# KiCad board psc_carrier_brd.kicad_pcb (continued)
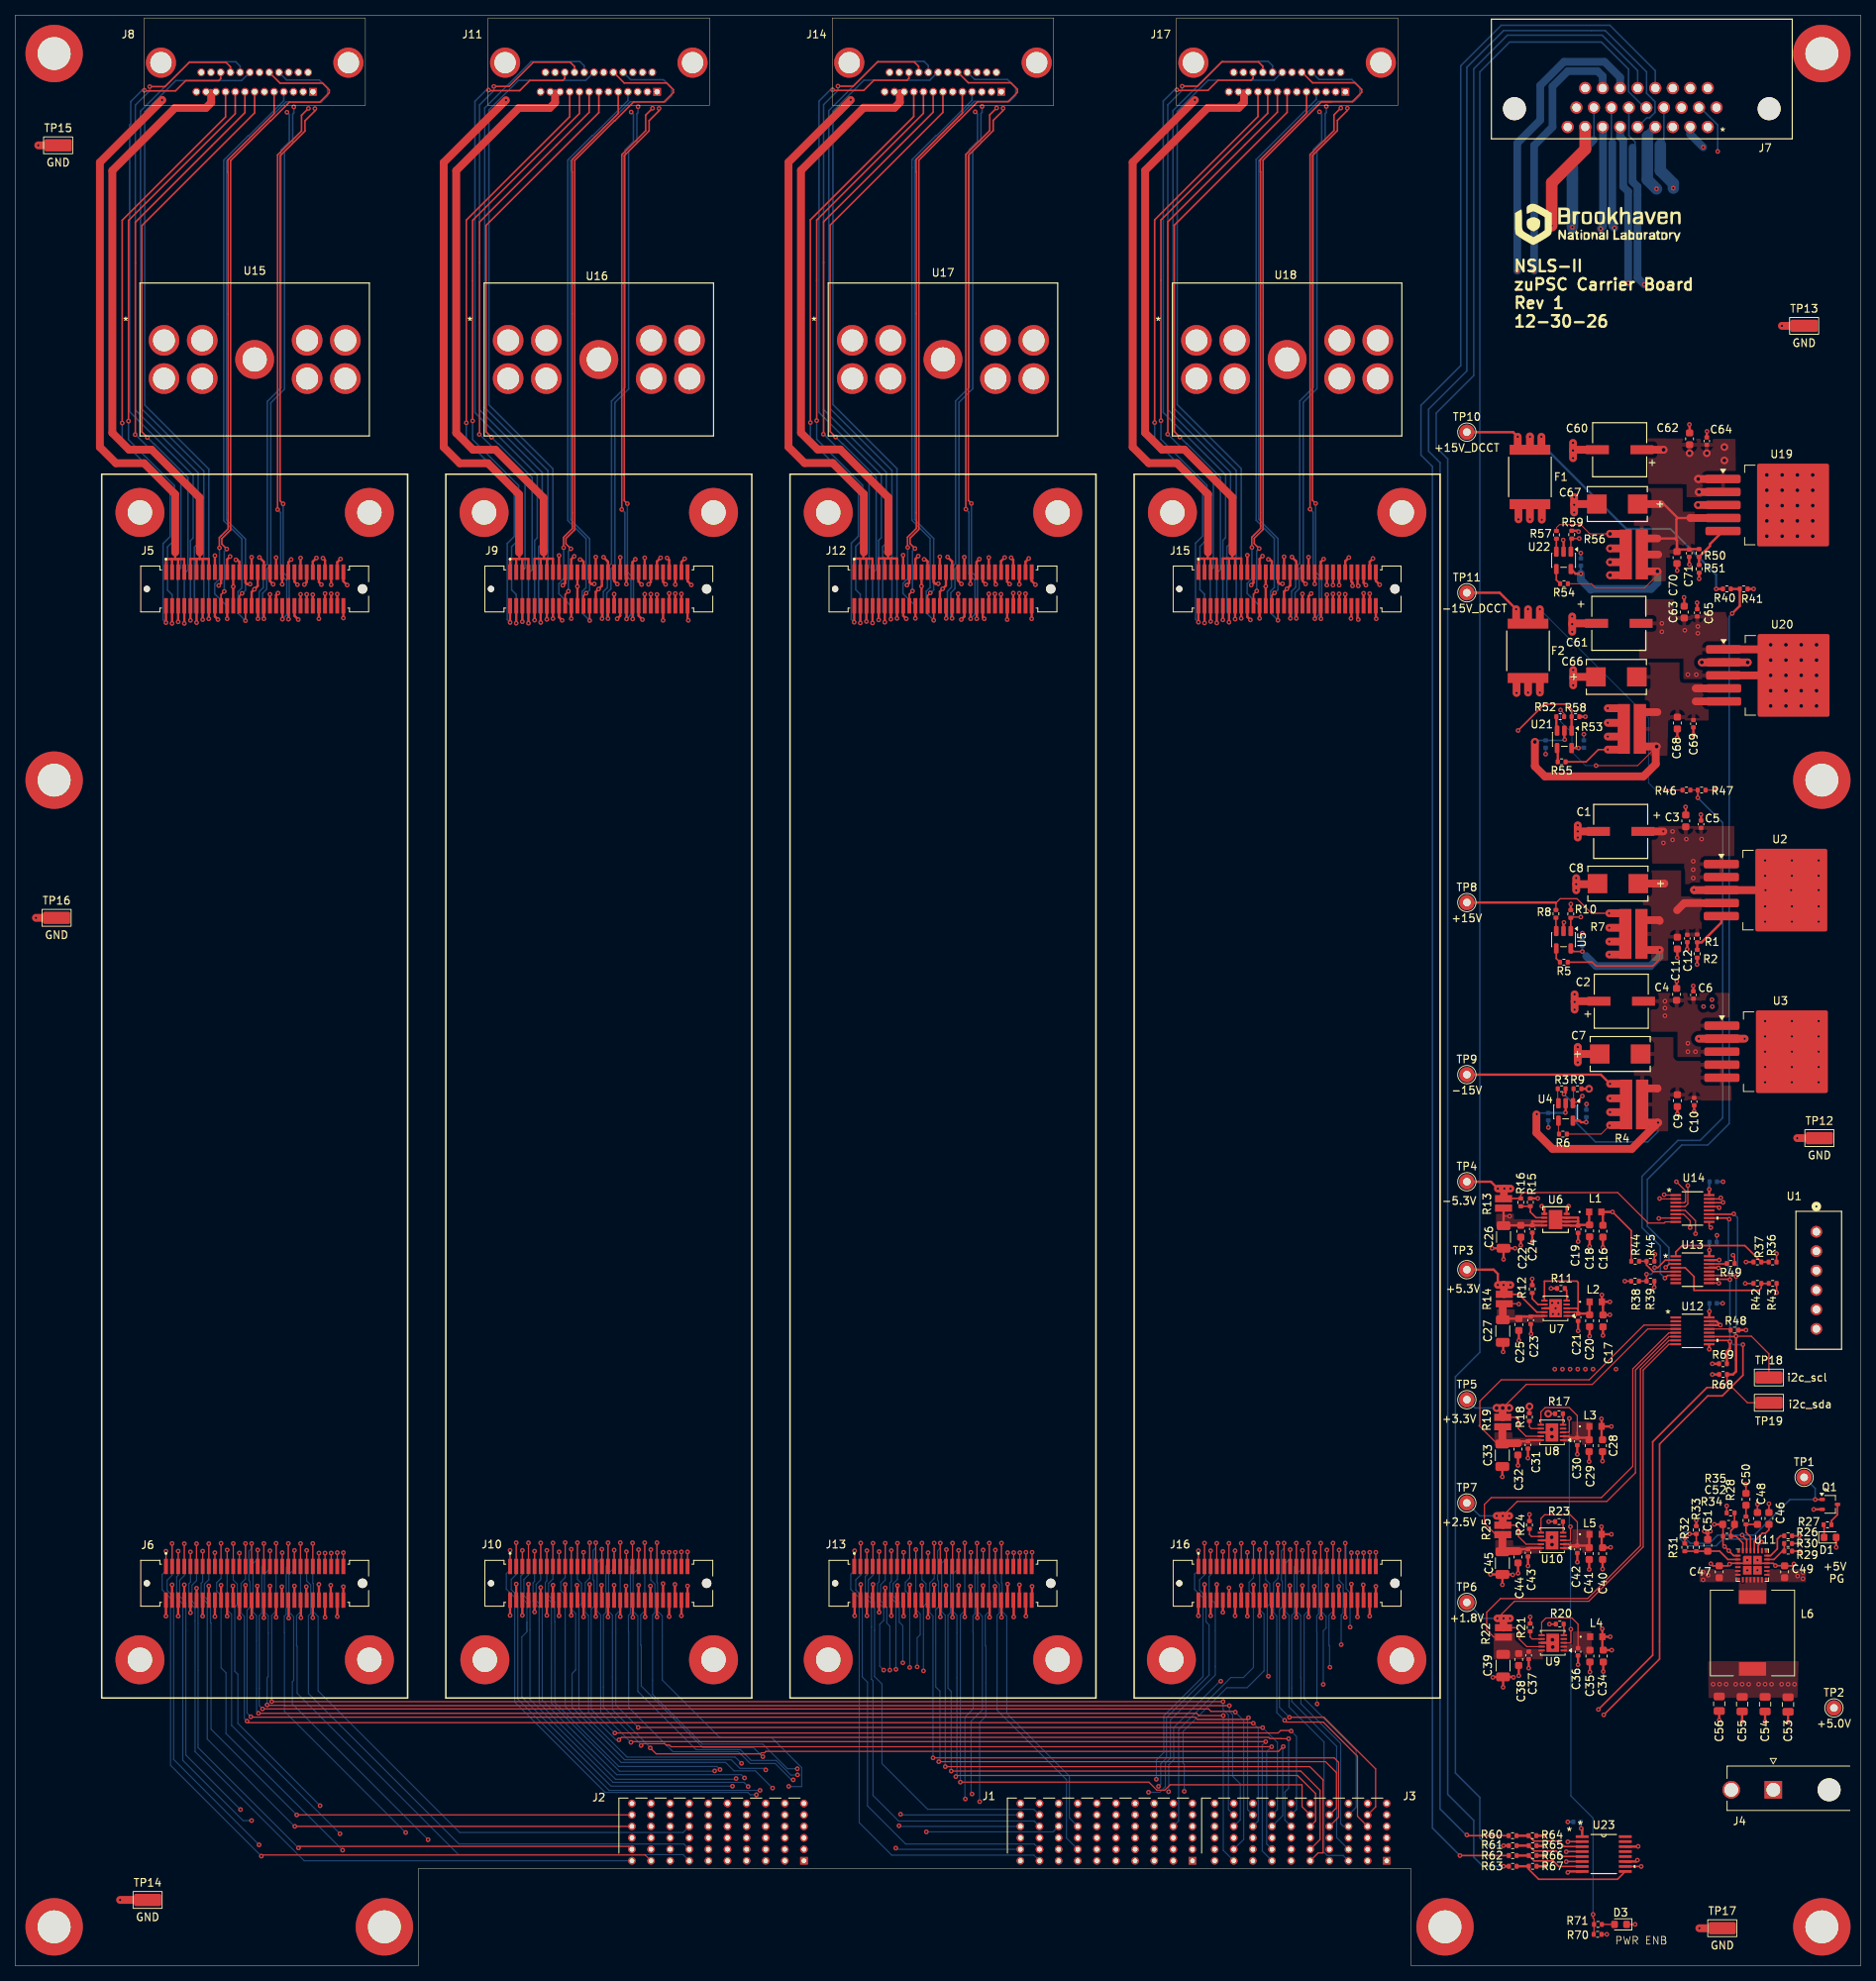
[diagram p0: board, top side]
## Routing (per net, layer and track width the routed paths; a pad name or vN(x,y) marks a point on that pad's centre or on a via; arc(x,y) is an arc through that point) (continued)
/Ch1 Burden Resistor/Vout0.dcct-: length 41.7
  Top w0.3: 38.9,177.1 v1(38.9,179.25)
  In2.Cu - Signal w0.2: v1(38.9,179.25) 38.7,179.45 38.7,179.66 39.25,180.21 39.25,182.39 38.45,183.19 38.45,191.77 31.42,198.79 31.42,205.25 38.16,211.98 U15.3
/Ch1 Burden Resistor/Vout1.dcct+: length 39.2
  Top w0.3: 41.3,177.22 v1(41.3,179.38)
  In7.Cu - SIG w0.2: v1(41.3,179.38) 42.12,180.2 42.12,181.23 40.9,182.46 40.9,190.91 31.35,200.46 31.35,202.78 27.2,206.93 25.02,206.93 U15.6
/Ch1 Burden Resistor/Vout1.dcct-: length 38.8
  Top w0.3: 42.1,177.18 v1(42.1,179.32)
  In2.Cu - Signal w0.2: v1(42.1,179.32) 42.1,179.54
  In7.Cu - SIG w0.2: U15.7 37.53,206.88 35.8,206.88 31.8,202.88 31.8,200.64 41.35,191.09 41.35,182.64 42.58,181.42 42.58,180.01 42.1,179.54 v1(42.1,179.32)
/Ch1 Daughterboard/dac.sclk: length 93.6
  Top w0.15: 26.9,52.18 v1(26.9,55.23)
  In2.Cu - Signal w0.15: J2.A8 84.93,14.41 44,14.41 43.31,15.11 v1(42.8,15.11)
  Bottom w0.15: v1(42.8,15.11) 27.55,30.36 27.55,38.3 26.9,38.95 26.9,48.4 26.32,48.98 26.32,50.07 26.9,50.65 v1(26.9,55.23)
/Ch1 Daughterboard/dac.sdin: length 89.4
  Top w0.15: 27.7,52.18 v1(27.7,54.35)
  In7.Cu - SIG w0.15: J2.B8 84.92,15.93 43.77,15.93 v1(42.45,17.25)
  Bottom w0.15: v1(27.7,54.35) 27.7,46.51 28.28,45.94 28.28,31.42 v1(42.45,17.25)
/Ch1 Daughterboard/dac.syncn: length 89.2
  Top w0.15: 28.5,52.15 v1(28.5,55.2)
  In7.Cu - SIG w0.15: v1(39.85,20.93) 41.86,18.91 84.93,18.91 J2.C8
  Bottom w0.15: v1(39.85,20.93) 29.1,31.68 29.1,38.1 28.7,38.5 28.7,46.9 29.03,47.23 29.03,49.89 28.5,50.41 v1(28.5,55.2)
/Ch1 Daughterboard/dcct.busy: length 86.3
  Top w0.15: 36.5,52.15 v1(36.5,54.3)
  In7.Cu - SIG w0.15: v1(53.97,16.48) 54.95,17.45 88.85,17.45 89.35,17.95 89.35,18.62 90.44,19.72 J2.D6
  Bottom w0.15: v1(36.5,54.3) 36.5,51.87 35.78,51.15 35.78,46.24 36.4,45.61 36.4,37.3 36.22,37.12 36.22,34.23 v1(53.97,16.48)
/Ch1 Daughterboard/dcct.cnv: length 87.5
  Top w0.15: 35.7,52.15 v1(35.7,55.2)
  In2.Cu - Signal w0.15: v1(51.05,17.41) 89.82,17.41 J2.C6
  Bottom w0.15: v1(35.7,55.2) 35.7,52.35 35.43,52.08 35.43,45.94 35.17,45.69 35.17,43.58 35.2,43.55 35.2,33.26 v1(51.05,17.41)
/Ch1 Daughterboard/dcct.sck: length 83.2
  Top w0.15: 37.3,52.15 v1(37.3,55.2)
  Bottom w0.15: v1(37.3,55.2) 37.3,46.26 36.77,45.74 36.77,41.83 36.85,41.75 36.85,35.62 57.95,14.52 87.32,14.52 J2.A7
/Ch1 Daughterboard/dcct.sdo0: length 79.4
  Top w0.15: 38.1,52.15 v1(38.1,54.3)
  Bottom w0.15: v1(38.1,54.3) 38.1,50.31 38.63,49.79 38.63,46.04 38.32,45.74 38.32,35.6 58.01,15.91 87.43,15.91 J2.B7
/Ch1 Daughterboard/dcct.sdo1: length 79.1
  Top w0.15: 38.9,52.15 v1(38.9,55.2)
  Bottom w0.15: J2.C7 87.32,17.41 58.11,17.41 39.6,35.93 39.6,45.64 38.98,46.26 38.98,49.93 38.9,50.01 v1(38.9,55.2)
/Ch1 Daughterboard/digin.acon: length 87.4
  Top w0.3: J5.16 v1(25.3,176.1)
  Bottom w0.15: v1(25.3,176.1) 25.22,176.1
  Bottom w0.2: v1(25.3,176.1) 25.3,195.68 16.92,204.05 16.92,242.4 20.99,246.46 29.59,246.46 J8.20
/Ch1 Daughterboard/digin.flt1: length 88.7
  Top w0.3: J5.14 v1(24.5,176)
  Bottom w0.15: v1(24.5,176) 24.5,176.21
  Bottom w0.2: J8.21 29.39,248.36 28.83,248.93 22.83,248.93 16.38,242.47 16.38,203.7 24.64,195.43 24.64,176.84 24.5,176.7 v1(24.5,176)
/Ch1 Daughterboard/digin.flt2: length 89.6
  Top w0.2: v1(17.58,245.68) 19.58,245.68 22.75,248.85 27.55,248.85 28.12,248.28 J8.22
  Top w0.3: J5.12 v1(23.7,175.6)
  Bottom w0.2: v1(17.58,245.68) 17.58,245.12 15.7,243.25 15.7,203.4 23.9,195.2 23.9,185.95 23.42,185.47 23.42,176.97 23.7,176.7 v1(23.7,175.6)
/Ch1 Daughterboard/digin.rtn: length 86.9
  Top w0.3: 20.44,183.91 20.91,183.91 ; 20.44,183.91 19.69,183.91 19.69,182.18 ; 20.44,183.91 20.49,183.86 20.49,182.18 ; 20.91,183.91 20.91,184.77 ; 20.91,183.91 21.26,183.91 ; 21.26,183.91 21.29,183.88 21.29,182.18 ; 21.26,183.91 22.09,183.91 22.09,182.18
  Top w1.016: 20.91,184.77 20.91,192.37 16.84,196.44 13.16,196.44 11.06,198.54 11.06,235.77 19.2,243.91 v1(19.2,243.93)
  In7.Cu - SIG w1.016: J8.24 J8.25 22.79,247.54 19.2,243.95 v1(19.2,243.93)
/Ch1 Daughterboard/digin.spare: length 87.2
  Top w0.2: J8.23 26.86,246.7 26.6,246.45 22.27,246.45 20.95,245.12 16.95,245.12 v1(16.88,245.2)
  Top w0.3: J5.10 v1(22.9,175.9)
  Bottom w0.2: v1(22.9,175.9) 22.9,186.3 23.25,186.65 23.25,194.88 14.96,203.16 14.96,240.67 15.1,240.81 15.1,243.72 16.58,245.2 v1(16.88,245.2)
/Ch1 Daughterboard/digio.in0: length 91.5
  Top w0.15: v1(22.9,54.1) J6.9
  Bottom w0.15: J2.A10 37.77,13.72 23.5,27.99 23.5,46.75 22.7,47.55 22.7,49.95 22.9,50.15 v1(22.9,54.1)
/Ch1 Daughterboard/digio.in1: length 92.7
  Top w0.15: v1(37.02,15.4) 37.22,15.6 80.24,15.6 J2.B10 ; 23.7,52.12 v1(23.7,55.18)
  Bottom w0.15: v1(37.02,15.4) 23.9,28.52 23.9,46.85 23.1,47.65 23.1,49.75 23.7,50.35 v1(23.7,55.18)
/Ch1 Daughterboard/digio.in2: length 87.2
  Top w0.15: J2.C10 v1(36.55,18.22) ; v1(24.5,54.2) J6.13
  Bottom w0.15: v1(24.5,54.2) 24.5,50.2 24.3,50 24.3,48.2 25.1,47.4 25.1,29.62 36.51,18.22 v1(36.55,18.22)
/Ch1 Daughterboard/digio.in3: length 87.6
  Top w0.15: v1(36.8,19.72) J2.D10 ; 25.3,52.12 v1(25.3,55.18)
  Bottom w0.15: v1(36.8,19.72) 25.6,30.92 25.6,44.8 25.52,44.88 25.52,47.47 24.72,48.27 24.72,49.89 25.3,50.46 v1(25.3,55.18)
/Ch1 Daughterboard/digio.out0: length 98.8
  Top w0.11: 82.39,14.45 J2.A9
  Top w0.15: J6.1 v1(19.7,54.2) ; 82.39,14.45 82.36,14.48 32.33,14.48 v1(32.17,14.32)
  Bottom w0.15: v1(32.17,14.32) 20.3,26.2 20.3,48.05 19.2,49.15 19.2,51.15 19.7,51.65 v1(19.7,54.2)
/Ch1 Daughterboard/digio.out1: length 99.3
  Top w0.15: 20.5,52.15 v1(20.5,55.2)
  In2.Cu - Signal w0.15: v1(31.88,15.8) 31.99,15.91 82.43,15.91 J2.B9
  Bottom w0.15: v1(20.5,55.2) 20.5,51.05 19.85,50.4 19.85,49.07 20.7,48.22 20.7,26.98 v1(31.88,15.8)
/Ch1 Daughterboard/digio.out2: length 94.6
  Top w0.15: 21.3,52.15 v1(21.3,54.2)
  In2.Cu - Signal w0.15: v1(30.9,18.98) 82.36,18.98 J2.C9
  Bottom w0.15: v1(30.9,18.98) 29.77,18.98 21.9,26.85 21.9,47.3 21.1,48.1 21.1,50.85 21.3,51.05 v1(21.3,54.2)
/Ch1 Daughterboard/digio.out3: length 95.3
  Top w0.15: 22.1,52.12 v1(22.1,55.18)
  In2.Cu - Signal w0.15: v1(29.45,20.41) 82.43,20.41 J2.D9
  Bottom w0.15: v1(29.45,20.41) 29.44,20.41 22.3,27.55 22.3,43.8 22.3,43.8 22.3,47.5 21.5,48.3 21.5,50.4 22.1,51 v1(22.1,55.18)
/Ch1 Daughterboard/digout.on1: length 80.6
  Top w0.2: v1(17.27,199.81) 16.55,200.53 16.55,227.5 31.3,242.25 J8.7
  Top w0.3: J5.8 v1(22.1,175.5)
  Bottom w0.2: v1(17.27,199.81) 18.15,198.93 18.2,198.93 22.58,194.55 22.58,182.48 22.1,182 v1(22.1,175.5)
/Ch1 Daughterboard/digout.on2: length 80.2
  Top w0.2: J8.8 30.03,242.28 15.7,227.95 15.7,200.2 v1(15.67,200.18)
  Top w0.3: 21.3,175.6 v1(21.3,175.7) J5.6
  Bottom w0.15: v1(21.3,175.7) 21.25,175.7
  Bottom w0.2: v1(21.3,175.7) 21.25,175.75 21.25,182.32 21.65,182.72 21.65,194.25 15.72,200.18 v1(15.67,200.18)
/Ch1 Daughterboard/digout.reset: length 80.8
  Top w0.2: v1(14.8,201.95) 14.8,228.18 28.76,242.13 J8.9
  Top w0.3: v1(20.5,175.5) J5.4
  Bottom w0.15: v1(20.5,175.5) 20.5,175.61
  Bottom w0.2: v1(14.8,201.95) 14.8,199.51 20.81,193.5 20.81,186.41 19.9,185.5 19.9,179.85 20.5,179.25 v1(20.5,175.5)
/Ch1 Daughterboard/digout.rtn: length 85.8
  Top w0.3: 23.65,183.93 24.12,183.93 ; 23.65,183.93 23.7,183.88 J5.11 ; 23.65,183.93 22.9,183.93 J5.9 ; 24.12,183.93 24.47,183.93 ; 24.12,183.93 24.12,184.79 ; 24.47,183.93 25.3,183.93 J5.15 ; 24.47,183.93 24.5,183.9 J5.13
  Top w1.016: 25.55,244.87 25.62,244.8 25.62,243.59 24.92,242.89 20.88,242.89 12.69,234.7 12.69,200.4 14.88,198.21 17.83,198.21 24.12,191.92 24.12,184.79
  In7.Cu - SIG w1.016: J8.12 J8.11
/Ch1 Daughterboard/digout.spare: length 80.4
  Top w0.2: J8.10 27.49,241.72 13.97,228.2 v1(13.97,201.7)
  Top w0.3: v1(19.7,175.6) J5.2
  Bottom w0.2: v1(13.97,201.7) 13.97,199.38 20.27,193.07 20.25,193.05 20.25,186.85 19.33,185.93 19.33,175.97 v1(19.7,175.6)
/Ch1 Daughterboard/mon.busy: length 169.9
  Top w0.15: v1(157.95,32.7) 154.78,32.7 154.48,33 v1(31.8,33) ; 31.7,52.15 v1(31.7,54.35)
  Bottom w0.15: v1(31.7,54.35) 31.7,53.2 31.07,52.57 31.07,46.23 31.55,45.75 31.55,33.25 v1(31.8,33) ; v1(157.95,32.7) 157.95,15.09 J3.A9
/Ch1 Daughterboard/mon.cnvrt: length 170
  Top w0.15: v1(30.8,32.55) 30.85,32.5 154.28,32.5 154.28,32.49 154.57,32.2 161.03,32.2 v1(161.25,32.43) ; 30.9,52.15 v1(30.9,55.2)
  Bottom w0.15: v1(30.8,32.55) 30.3,33.05 30.3,46.5 30.67,46.88 30.67,50.23 30.55,50.35 30.55,54.2 30.9,54.55 v1(30.9,55.2) ; J3.D8 161.13,20.41 161.13,32.3 v1(161.25,32.43)
/Ch1 Daughterboard/mon.fs: length 171.4
  Top w0.15: 32.5,52.15 v1(32.5,55.2) ; v1(32.33,33.57) 156.02,33.57 156.35,33.25 159.43,33.25 v1(159.52,33.15)
  Bottom w0.15: v1(32.33,33.57) 31.9,34 31.9,36.25 31.9,36.25 31.9,45.75 32.23,46.08 32.23,52.13 32.5,52.4 v1(32.5,55.2) ; J3.B9 160.62,16.52 160.62,32.05 v1(159.52,33.15)
/Ch1 Daughterboard/mon.reset: length 172.6
  Top w0.15: 30.1,52.15 v1(30.1,55.2) ; v1(30.3,31.98) 30.5,31.77 161.79,31.77 v1(161.88,31.69)
  Bottom w0.15: v1(30.3,31.98) 29.95,32.32 29.95,45.66 29.52,46.09 29.52,49.99 30.1,50.56 v1(30.1,55.2) ; v1(161.88,31.69) 162.52,31.05 162.52,18.91 J3.C8
/Ch1 Daughterboard/mon.sclk: length 163.8
  Top w0.15: 34.1,52.18 v1(34.1,55.23) ; v1(33.52,34.53) v1(157.93,34.53)
  Bottom w0.15: v1(34.1,55.23) 34.1,46.36 33.52,45.79 v1(33.52,34.53) 33.52,34.52 ; v1(157.93,34.53) 157.93,33.5 158.63,32.8 158.63,20.41 J3.D9
/Ch1 Daughterboard/mon.sdo: length 165.6
  Top w0.15: v1(32.92,34.1) 32.99,34.03 35.24,34.03 35.27,34 v1(158.75,34) ; 33.3,52.18 v1(33.3,54.25)
  Bottom w0.15: J3.C9 160.18,19.07 160.18,23.77 159.18,24.77 159.18,32.8 158.75,33.22 v1(158.75,34) ; v1(33.3,54.25) 33.3,51.92 32.58,51.2 32.58,46.24 33.08,45.74 33.08,37.8 32.92,37.65 v1(32.92,34.1) 32.92,33.93
/Ch1 Daughterboard/ps.ignd+: length 76
  Top w0.2: v1(30.1,175.85) J5.28
  Bottom w0.2: J8.4 35.11,243.84 30.5,239.23 30.42,239.23 27.25,236.05 27.25,188.93 29.62,186.55 29.62,180.14 29.13,179.64 29.13,176.82 v1(30.1,175.85)
/Ch1 Daughterboard/ps.ignd-: length 84.5
  Top w0.2: J5.26 29.3,179.07 v1(29.65,179.43)
  Bottom w0.2: J8.17 35.47,246.55 39.75,246.55 40.83,245.47 40.83,244.47 40.02,243.68 35.4,243.68 27.67,235.95 27.6,235.95 27.6,189.03 30.1,186.53 30.1,179.82 29.7,179.43 v1(29.65,179.43)
/Ch1 Daughterboard/ps.spare+: length 74.9
  Top w0.2: J8.5 33.84,242.14 27.8,236.1 27.8,234.5 27.83,234.47 27.83,187.86 26.68,186.71 26.68,185.4 v1(26.7,185.38)
  Top w0.3: J5.22 v1(27.7,176.1)
  In2.Cu - Signal w0.2: v1(27.7,176.1) 27.58,176.22
  Bottom w0.2: 27.58,176.22 v1(27.7,176.1) 27.72,176.12 27.72,177.7 26.08,179.35 26.08,180.67 26.7,181.29 v1(26.7,185.38)
/Ch1 Daughterboard/ps.spare-: length 85
  Top w0.2: J8.18 34.62,246.12 40.17,246.12 41.05,245.25 41.05,244.88 39.83,243.65 35.85,243.65 33.4,241.2 33.35,241.2 28.15,236 28.15,187.72 27,186.57 27,185.88 v1(27.65,185.22) ; J5.20 26.9,179.25 v1(27.33,179.68)
  Bottom w0.2: v1(27.33,179.68) 27.33,184.9 v1(27.65,185.22)
/Ch1 Daughterboard/ps.vout+: length 72.4
  Top w0.3: J5.34 v1(32.5,176.1)
  In7.Cu - SIG w0.2: v1(36.42,243.03) 36.42,244.95 J8.3
  Bottom w0.2: v1(36.42,243.03) 36.42,242.25 36.27,242.1 36.27,238.28 35.2,237.21 35.2,206.13 33.4,204.33 33.4,183.11 32.88,182.58 32.88,179.98 32.34,179.44 32.34,176.26 v1(32.5,176.1)
/Ch1 Daughterboard/ps.vout-: length 83.1
  Top w0.3: 31.72,177.8 v1(31.72,176.1)
  In7.Cu - SIG w0.2: v1(35.52,242.32) 35.57,242.28 39.39,242.28 40.35,243.24 40.35,245.6 39.52,246.43 36.27,246.43 35.74,246.95 J8.16
  Bottom w0.2: v1(31.72,176.1) 31.89,176.26 31.89,179.63 32.42,180.17 32.42,182.77 32.95,183.3 32.95,204.52 34.75,206.32 34.75,237.39 35.83,238.47 35.83,242.03 v1(35.52,242.32)
/Ch1 Daughterboard/reg.out+: length 73.1
  Top w0.2: v1(39.17,242.8) 39.17,242.5 37.88,241.2 37.88,239.87 34.62,236.62 34.62,191.53 v1(35.02,191.12)
  Top w0.3: 35.72,177.7 v1(35.72,176.05)
  In7.Cu - SIG w0.2: v1(39.17,242.8) 39.17,244.18 38.92,244.43 J8.1
  Bottom w0.2: v1(35.72,176.05) 35.82,176.15 35.82,181.38 35.02,182.18 35.02,182.18 v1(35.02,191.12)
/Ch1 Daughterboard/reg.out-: length 77.9
  Top w0.2: v1(38.33,242.82) 37.42,241.93 37.42,239.88 34.3,236.75 v1(34.3,190.38)
  Top w0.3: 34.92,177.7 v1(34.92,176.05)
  In2.Cu - Signal w0.2: v1(38.33,242.82) 40.27,244.78 40.27,246.72 39.46,247.54 J8.14
  Bottom w0.2: v1(34.92,176.05) 35.5,176.62 35.5,181.1 34.7,181.9 34.7,189.97 v1(34.3,190.38) 34.3,190.4
/Ch2 Burden Resistor/Iin0.dcct+: length 174.2
  In7.Cu - SIG w1.5: v1(214.6,232.3) 213.5,231.2 71.5,231.2 64.44,224.14 U16.1
  Bottom w1.016: J7.4 213.4,239.36 213.4,239.19
  Bottom w1.5: v1(214.6,232.3) 213.4,233.5 213.4,239.19
/Ch2 Burden Resistor/Iin0.dcct-: length 155.3
  In7.Cu - SIG w1.5: U16.4 88.16,224.06 93.6,229.5 214.2,229.5 216.8,232.09 v1(216.8,232.4)
  Bottom w0.2: 215.1,238.05 215.56,238.51 J7.13
  Bottom w1.5: v1(216.8,232.4) 216.8,233 215.1,234.7 215.1,238.05
/Ch2 Burden Resistor/Iin1.dcct+: length 205.2
  In2.Cu - Signal w1.5: J7.20 219.01,247.11 220,248.1 222.79,248.1 224.7,246.2 224.7,233.3 222.29,230.9 71.1,230.9 60.8,220.6 60.8,211.14 U16.5
/Ch2 Burden Resistor/Iin1.dcct-: length 184.9
  In2.Cu - Signal w1.5: U16.8 92.9,212.24 92.9,224.8 97.3,229.2 223,229.2 226.4,232.6 226.4,247.4 223.9,249.9 218.4,249.9 216.73,248.23 J7.21
/Ch2 Burden Resistor/Vout0.dcct+: length 41.6
  Top w0.3: 83.1,177.18 v1(83.1,179.32)
  In2.Cu - Signal w0.2: v1(83.1,179.32) 83.25,179.47 83.25,179.87 83.8,180.42 83.8,182.23 83,183.03 83,191.61 75.98,198.63 75.98,205.43 69.44,211.96 69.44,212.53
/Ch2 Burden Resistor/Vout0.dcct-: length 41.7
  Top w0.3: 83.9,177.12 v1(83.9,179.28)
  In2.Cu - Signal w0.2: v1(83.9,179.28) 83.7,179.47 83.7,179.68 84.25,180.23 84.25,182.42 83.45,183.22 83.45,191.79 76.42,198.82 76.42,205.28 83.16,212.01 83.16,212.53
/Ch2 Burden Resistor/Vout1.dcct+: length 39.2
  Top w0.3: 86.3,177.25 v1(86.3,179.4)
  In7.Cu - SIG w0.2: 69.44,207.53 70.02,206.95 72.2,206.95 76.35,202.8 76.35,200.48 85.9,190.93 85.9,182.48 87.12,181.26 87.12,180.22 v1(86.3,179.4)
/Ch2 Burden Resistor/Vout1.dcct-: length 38.8
  Top w0.3: 87.1,177.2 v1(87.1,179.35)
  In2.Cu - Signal w0.2: v1(87.1,179.35) 87.1,179.56
  In7.Cu - SIG w0.2: v1(87.1,179.35) 87.1,179.56 87.58,180.04 87.58,181.44 86.35,182.67 86.35,191.12 76.8,200.67 76.8,202.9 80.8,206.9 82.53,206.9 83.16,207.53
/Ch2 Daughterboard/dac.sclk: length 62.2
  Top w0.15: 71.9,52.27 v1(71.9,55.32)
  In7.Cu - SIG w0.15: v1(99.02,23.23) 99.4,22.85 99.4,19.44 J2.C2
  Bottom w0.15: v1(71.9,55.32) 71.9,50.75 71.32,50.17 71.32,49.08 71.9,48.5 71.9,33.9 79.23,26.57 92.87,26.57 93.98,25.48 96.77,25.48 v1(99.02,23.23)
/Ch2 Daughterboard/dac.sdin: length 58.9
  Top w0.15: 72.7,52.27 v1(72.7,54.45)
  In7.Cu - SIG w0.15: v1(98.12,25.6) 98.12,25.38 99.8,23.7 99.8,20.54 J2.D2
  Bottom w0.15: v1(72.7,54.45) 72.7,46.61 73.28,46.04 73.28,38.72 73.3,38.7 72.8,38.2 72.8,33.8 79.67,26.93 93.62,26.93 94.75,25.8 97.92,25.8 v1(98.12,25.6)
/Ch2 Daughterboard/dac.syncn: length 64.2
  Top w0.15: 73.5,52.25 v1(73.5,55.3)
  In7.Cu - SIG w0.15: v1(94.96,26.46) 99.08,22.35 99.08,14.67 J2.A3
  Bottom w0.15: v1(94.96,26.46) 94.94,26.46 94.12,27.27 79.98,27.27 73.7,33.55 73.7,47 74.03,47.33 74.03,49.99 73.5,50.51 v1(73.5,55.3)
/Ch2 Daughterboard/dcct.busy: length 56.8
  Top w0.15: 81.5,52.25 v1(81.5,54.4)
  In7.Cu - SIG w0.15: 102.27,25.02 v1(102.27,24.95) 102.27,16.06 J2.B1
  Bottom w0.15: 102.25,24.93 101.41,24.93 99.49,26.84 96.21,26.84 94.8,28.25 89.02,28.25 81.4,35.87 81.4,45.71 80.78,46.34 80.78,51.25 81.5,51.97 v1(81.5,54.4)
/Ch2 Daughterboard/dcct.cnv: length 61.4
  Top w0.15: 80.7,52.25 v1(80.7,55.3)
  In7.Cu - SIG w0.15: J2.A1 101.8,15.04 101.8,24.23 v1(101.73,24.3)
  Bottom w0.15: v1(80.7,55.3) 80.7,52.45 80.43,52.18 80.43,46.04 80.17,45.79 80.17,43.68 80.2,43.65 80.2,33.77 86,27.98 94.55,27.98 96.09,26.44 99.36,26.44 101.5,24.3 v1(101.73,24.3)
/Ch2 Daughterboard/dcct.sck: length 57
  Top w0.15: 82.3,52.25 v1(82.3,55.3)
  In7.Cu - SIG w0.15: J2.C1 104.55,19.64 104.55,25.18 102.35,27.38 97.79,27.38 v1(97.75,27.34)
  Bottom w0.15: v1(82.3,55.3) 82.3,46.36 81.77,45.84 81.77,41.93 81.85,41.85 81.85,36.57 89.9,28.52 96.51,28.52 97.69,27.34 v1(97.75,27.34)
/Ch2 Daughterboard/dcct.sdo0: length 51.5
  Top w0.15: 83.1,52.25 v1(83.1,54.4)
  In7.Cu - SIG w0.15: v1(102.25,25.75) 104,24 104,20.59 J2.D1
  Bottom w0.15: v1(102.25,25.75) 100.97,25.75 97.74,28.98 89.83,28.98 83.32,35.48 83.32,45.84 83.63,46.14 83.63,49.89 83.1,50.41 v1(83.1,54.4)
/Ch2 Daughterboard/dcct.sdo1: length 58.7
  Top w0.15: 83.9,52.25 v1(83.9,55.3)
  In7.Cu - SIG w0.15: v1(101.12,23.45) 101.52,23.05 101.52,14.62 J2.A2
  Bottom w0.15: v1(83.9,55.3) 83.9,50.11 83.98,50.03 83.98,46.36 84.6,45.74 84.6,37.35 92.15,29.8 98.92,29.8 102.83,25.9 102.83,23.43 101.15,23.43 v1(101.12,23.45)
/Ch2 Daughterboard/digin.acon: length 87.5
  Top w0.3: 70.3,177.82 v1(70.3,176.12)
  Bottom w0.15: v1(70.3,176.12) 70.22,176.12
  Bottom w0.2: 75.67,247.56 74.59,246.49 65.79,246.49 61.92,242.62 61.92,204.07 70.3,195.7 v1(70.3,176.12)
/Ch2 Daughterboard/digin.flt1: length 88.9
  Top w0.3: 69.5,177.82 v1(69.5,176.03)
  Bottom w0.15: v1(69.5,176.03) 69.5,176.23
  Bottom w0.2: v1(69.5,176.03) 69.5,176.72 69.64,176.87 69.64,195.46 61.38,203.72 61.38,242.88 67.45,248.95 73.83,248.95 74.39,248.38 74.39,247.56
/Ch2 Daughterboard/digin.flt2: length 89.6
  Top w0.2: 73.12,247.56 73.12,248.3 72.55,248.88 67.75,248.88 64.58,245.7 v1(62.58,245.7)
  Top w0.3: 68.7,177.82 v1(68.7,175.62)
  Bottom w0.2: v1(62.58,245.7) 62.58,245.15 60.7,243.28 60.7,203.43 68.9,195.22 68.9,185.97 68.42,185.5 68.42,177 68.7,176.72 v1(68.7,175.62)
/Ch2 Daughterboard/digin.rtn: length 86.8
  Top w0.3: 65.44,183.94 65.49,183.88 65.49,182.21 ; 65.44,183.94 65.91,183.94 ; 65.44,183.94 64.69,183.94 64.69,182.21 ; 67.09,182.21 67.09,183.94 66.26,183.94 ; 66.29,182.21 66.29,183.91 66.26,183.94 ; 65.91,183.94 66.26,183.94 ; 65.91,183.94 65.91,184.79
  Top w1.016: 65.87,184.76 65.87,192.36 61.8,196.43 58.12,196.43 56.02,198.53 56.02,235.76 64.16,243.9
  In7.Cu - SIG w1.016: 67.84,247.56 70.58,247.56 ; 64.16,243.94 67.75,247.53
  vias: v1(64.16,243.93)
/Ch2 Daughterboard/digin.spare: length 87.1
  Top w0.2: 71.86,247.56 71.86,246.73 71.6,246.47 67.27,246.47 65.95,245.15 61.95,245.15 v1(61.88,245.22)
  Top w0.3: 67.9,177.82 v1(67.9,175.93)
  Bottom w0.2: v1(67.9,175.93) 67.9,186.32 68.25,186.68 68.25,194.9 60.1,203.05 60.1,243.75 61.58,245.22 v1(61.88,245.22)
/Ch2 Daughterboard/digio.in0: length 58.9
  Top w0.15: v1(67.9,54.2) 67.9,52.3
  In7.Cu - SIG w0.15: J2.C4 94.25,19.59 94.25,23.25 94.27,23.27 94.27,24.44 v1(94.25,24.47)
  Bottom w0.15: v1(94.25,24.47) 94.16,24.38 78.48,24.38 68.5,34.35 68.5,46.85 67.7,47.65 67.7,50.05 67.9,50.25 v1(67.9,54.2)
/Ch2 Daughterboard/digio.in1: length 60.2
  Top w0.15: 68.7,52.23 v1(68.7,55.27)
  In7.Cu - SIG w0.15: J2.D4 94.93,20.41 94.93,24.13 v1(95.35,24.55)
  Bottom w0.15: v1(68.7,55.27) 68.7,50.45 68.1,49.85 68.1,47.75 68.9,46.95 68.9,34.71 78.63,24.98 94.92,24.98 v1(95.35,24.55)
/Ch2 Daughterboard/digio.in2: length 59.9
  Top w0.15: v1(69.5,54.3) 69.5,52.3
  In7.Cu - SIG w0.15: v1(91.45,25.47) 91.5,25.42 91.5,15.34 J2.A5
  Bottom w0.15: v1(91.45,25.47) 91.4,25.43 79,25.43 70.1,34.32 70.1,47.5 69.3,48.3 69.3,50.1 69.5,50.3 v1(69.5,54.3)
/Ch2 Daughterboard/digio.in3: length 60.8
  Top w0.15: 70.3,52.23 v1(70.3,55.27)
  In7.Cu - SIG w0.15: J2.B5 92.15,16.19 92.15,25.64 v1(92.15,25.64)
  Bottom w0.15: 92.15,25.88 v1(92.15,25.64) 91.74,26.05 78.9,26.05 70.55,34.4 70.55,44.95 70.52,44.98 70.52,47.57 69.72,48.37 69.72,49.99 70.3,50.56 v1(70.3,55.27)
/Ch2 Daughterboard/digio.out0: length 63.8
  Top w0.15: 64.7,52.3 v1(64.7,54.3)
  In7.Cu - SIG w0.15: v1(96.9,22.35) 97,22.25 97,19.34 J2.C3
  Bottom w0.15: v1(96.9,22.35) 96.1,22.35 95.8,22.65 77.12,22.65 65.3,34.48 65.3,48.15 64.2,49.25 64.2,51.25 64.7,51.75 v1(64.7,54.3)
/Ch2 Daughterboard/digio.out1: length 64.3
  Top w0.15: 65.5,52.25 v1(65.5,55.3)
  In7.Cu - SIG w0.15: J2.D3 97.4,20.44 97.4,22.88 97.35,22.93 v1(97.37,22.93)
  Bottom w0.15: v1(65.5,55.3) 65.5,51.15 64.85,50.5 64.85,49.17 65.7,48.32 65.7,34.85 77.63,22.92 97.2,22.92 97.21,22.93 v1(97.37,22.93)
/Ch2 Daughterboard/digio.out2: length 65.9
  Top w0.15: 66.3,52.25 v1(66.3,54.3)
  In7.Cu - SIG w0.15: J2.A4 93.87,15.46 93.87,23.38 v1(93.77,23.48)
  Bottom w0.15: v1(93.77,23.48) 77.9,23.48 66.23,35.15 66.23,42.98 66.9,43.65 66.9,44.9 ; 66.9,44.9 66.9,47.4 66.1,48.2 66.1,50.95 66.3,51.15 v1(66.3,54.3) ; 66.9,44.9 66.9,43.85 66.9,43.85
/Ch2 Daughterboard/digio.out3: length 66.6
  Top w0.15: 67.1,52.23 v1(67.1,55.27)
  In7.Cu - SIG w0.15: v1(95.83,23.43) 95.83,22.52 96.55,21.8 96.55,15.5 96.27,15.22 J2.B4
  Bottom w0.15: v1(67.1,55.27) 67.1,51.1 66.5,50.5 66.5,48.4 67.3,47.6 67.3,43.9 67.3,43.9 67.3,34.82 78.15,23.97 95.28,23.97 v1(95.83,23.43)
/Ch2 Daughterboard/digout.on1: length 80.6
  Top w0.2: 76.3,245.03 76.3,242.28 61.55,227.53 61.55,200.55 v1(62.27,199.83)
  Top w0.3: 67.1,177.82 v1(67.1,175.53)
  Bottom w0.2: v1(67.1,175.53) 67.1,182.03 67.58,182.5 67.58,194.57 63.2,198.95 63.15,198.95 v1(62.27,199.83)
/Ch2 Daughterboard/digout.on2: length 80.2
  Top w0.2: v1(60.67,200.2) 60.7,200.22 60.7,227.97 75.03,242.31 75.03,245.03
  Top w0.3: 66.3,177.82 v1(66.3,175.72) 66.3,175.62
  Bottom w0.15: v1(66.3,175.72) 66.25,175.72
  Bottom w0.2: v1(60.67,200.2) 60.72,200.2 66.65,194.28 66.65,182.75 66.25,182.35 66.25,175.78 v1(66.3,175.72)
/Ch2 Daughterboard/digout.reset: length 80.8
  Top w0.2: 73.76,245.03 73.76,242.16 59.8,228.2 v1(59.8,201.97)
  Top w0.3: v1(65.5,175.53) 65.5,177.82
  Bottom w0.15: v1(65.5,175.53) 65.5,175.64
  Bottom w0.2: v1(59.8,201.97) 59.8,199.53 65.81,193.53 65.81,186.43 64.9,185.53 64.9,179.88 65.5,179.28 v1(65.5,175.53)
/Ch2 Daughterboard/digout.rtn: length 85.7
  Top w0.3: 69.47,183.96 70.3,183.96 70.3,182.22 ; 69.47,183.96 69.5,183.93 69.5,182.22 ; 69.47,183.96 69.12,183.96 ; 68.65,183.96 68.7,183.91 68.7,182.22 ; 68.65,183.96 67.9,183.96 67.9,182.22 ; 68.65,183.96 69.12,183.96 ; 69.11,184.82 69.12,184.81 69.12,183.96
  Top w1.016: 69.08,184.78 69.08,191.91 62.79,198.2 59.84,198.2 57.65,200.39 57.65,234.69 65.84,242.88 69.88,242.88 70.58,243.58 70.58,244.79
  In7.Cu - SIG w1.016: 69.95,245.03 71.22,245.03
/Ch2 Daughterboard/digout.spare: length 80.4
  Top w0.2: 72.49,245.03 72.49,241.74 58.97,228.22 v1(58.97,201.72)
  Top w0.3: v1(64.7,175.62) 64.7,177.82
  Bottom w0.2: v1(64.7,175.62) 64.33,176 64.33,185.95 65.25,186.88 65.25,193.07 65.27,193.1 58.97,199.4 v1(58.97,201.72)
/Ch2 Daughterboard/mon.busy: length 128.9
  Top w0.15: v1(80.5,29.2) 80.6,29.3 163.5,29.3 v1(163.5,29.3) ; 76.7,52.25 v1(76.7,54.45)
  Bottom w0.15: v1(80.5,29.2) 76.55,33.15 76.55,45.85 76.07,46.33 76.07,52.67 76.7,53.3 v1(76.7,54.45) ; v1(163.5,29.3) 163.05,28.85 163.05,14.99 J3.A7
/Ch2 Daughterboard/mon.cnvrt: length 129.7
  Top w0.15: v1(166.82,30.68) 166.75,30.75 165.45,30.75 165.12,30.43 v1(78.4,30.43) ; 75.9,52.25 v1(75.9,55.3)
  Bottom w0.15: J3.D6 167.52,20.41 167.52,29.98 v1(166.82,30.68) ; v1(78.4,30.43) 75.3,33.52 75.3,46.6 75.67,46.98 75.67,50.32 75.55,50.45 75.55,54.3 75.9,54.65 v1(75.9,55.3)
/Ch2 Daughterboard/mon.fs: length 128.5
  Top w0.15: 164.3,28.65 v1(164.27,28.62) 85.75,28.62 85.52,28.85 85.1,28.85 84.92,29.02 82.05,29.02 v1(81.83,28.8) ; 77.5,52.25 v1(77.5,55.3)
  Bottom w0.15: v1(77.5,55.3) 77.5,52.5 77.23,52.23 77.23,46.18 76.9,45.85 76.9,33.82 81.83,28.9 v1(81.83,28.8) ; v1(164.27,28.62) 163.63,27.98 163.63,15.91 J3.B7
/Ch2 Daughterboard/mon.reset: length 130.9
  Top w0.15: v1(78.92,29.52) 79.25,29.85 163.9,29.85 164.05,29.7 165.5,29.7 165.52,29.68 v1(166.5,29.68) ; 75.1,52.25 v1(75.1,55.3)
  Bottom w0.15: v1(166.5,29.68) 166.5,23.2 166,22.7 166,19.04 J3.C6 ; v1(78.92,29.52) 78.55,29.52 74.95,33.12 74.95,45.76 74.52,46.19 74.52,50.09 75.1,50.66 v1(75.1,55.3)
/Ch2 Daughterboard/mon.sclk: length 122.8
  Top w0.15: v1(163.1,31.12) 163.07,31.15 v1(81.45,31.15) ; 79.1,52.27 v1(79.1,55.32)
  Bottom w0.15: v1(81.45,31.15) 78.52,34.08 78.52,45.89 79.1,46.46 v1(79.1,55.32) ; v1(163.1,31.12) 165.02,29.2 165.02,20.42 J3.D7
/Ch2 Daughterboard/mon.sdo: length 125
  Top w0.15: v1(165.8,28.65) 165.18,28.02 98.15,28.02 97.96,27.83 97.54,27.83 97.41,27.7 83.8,27.7 v1(83.02,28.48) ; 78.3,52.27 v1(78.3,54.35)
  Bottom w0.15: v1(83.02,28.48) 83.02,28.52 78.08,33.47 78.08,45.84 77.58,46.34 77.58,51.3 78.3,52.02 v1(78.3,54.35) ; v1(165.8,28.65) 165.73,28.58 165.73,19.62 J3.C7
/Ch2 Daughterboard/ps.ignd+: length 76
  Top w0.2: v1(75.1,175.88) 75.1,177.82
  Bottom w0.2: v1(75.1,175.88) 74.13,176.85 74.13,179.67 74.62,180.16 74.62,186.57 72.25,188.95 72.25,236.08 75.42,239.25 75.5,239.25 80.11,243.86 80.11,245.03
/Ch2 Daughterboard/ps.ignd-: length 84.5
  Top w0.2: 74.3,177.82 74.3,179.1 v1(74.65,179.45)
  Bottom w0.2: 79.48,247.56 80.46,246.57 84.75,246.57 85.83,245.5 85.83,244.5 85.02,243.7 80.4,243.7 72.67,235.97 72.6,235.97 72.6,189.05 75.1,186.55 75.1,179.85 74.7,179.45 v1(74.65,179.45)
/Ch2 Daughterboard/ps.spare+: length 74.9
  Top w0.2: 78.84,245.03 78.84,242.17 72.8,236.13 72.8,234.53 72.83,234.5 72.83,187.88 71.68,186.73 71.68,185.42 v1(71.7,185.4)
  Top w0.3: 72.7,177.82 v1(72.7,176.12)
  In2.Cu - Signal w0.2: v1(72.7,176.12) 72.58,176.25
  Bottom w0.2: v1(71.7,185.4) 71.7,181.31 71.08,180.69 71.08,179.37 72.73,177.72 72.73,176.15 v1(72.7,176.12) 72.58,176.25
